# Allegro board A733_PRO3_AXP318_LPDDR5_FBGA315BALL_32X1_V2_0.brd (continued)
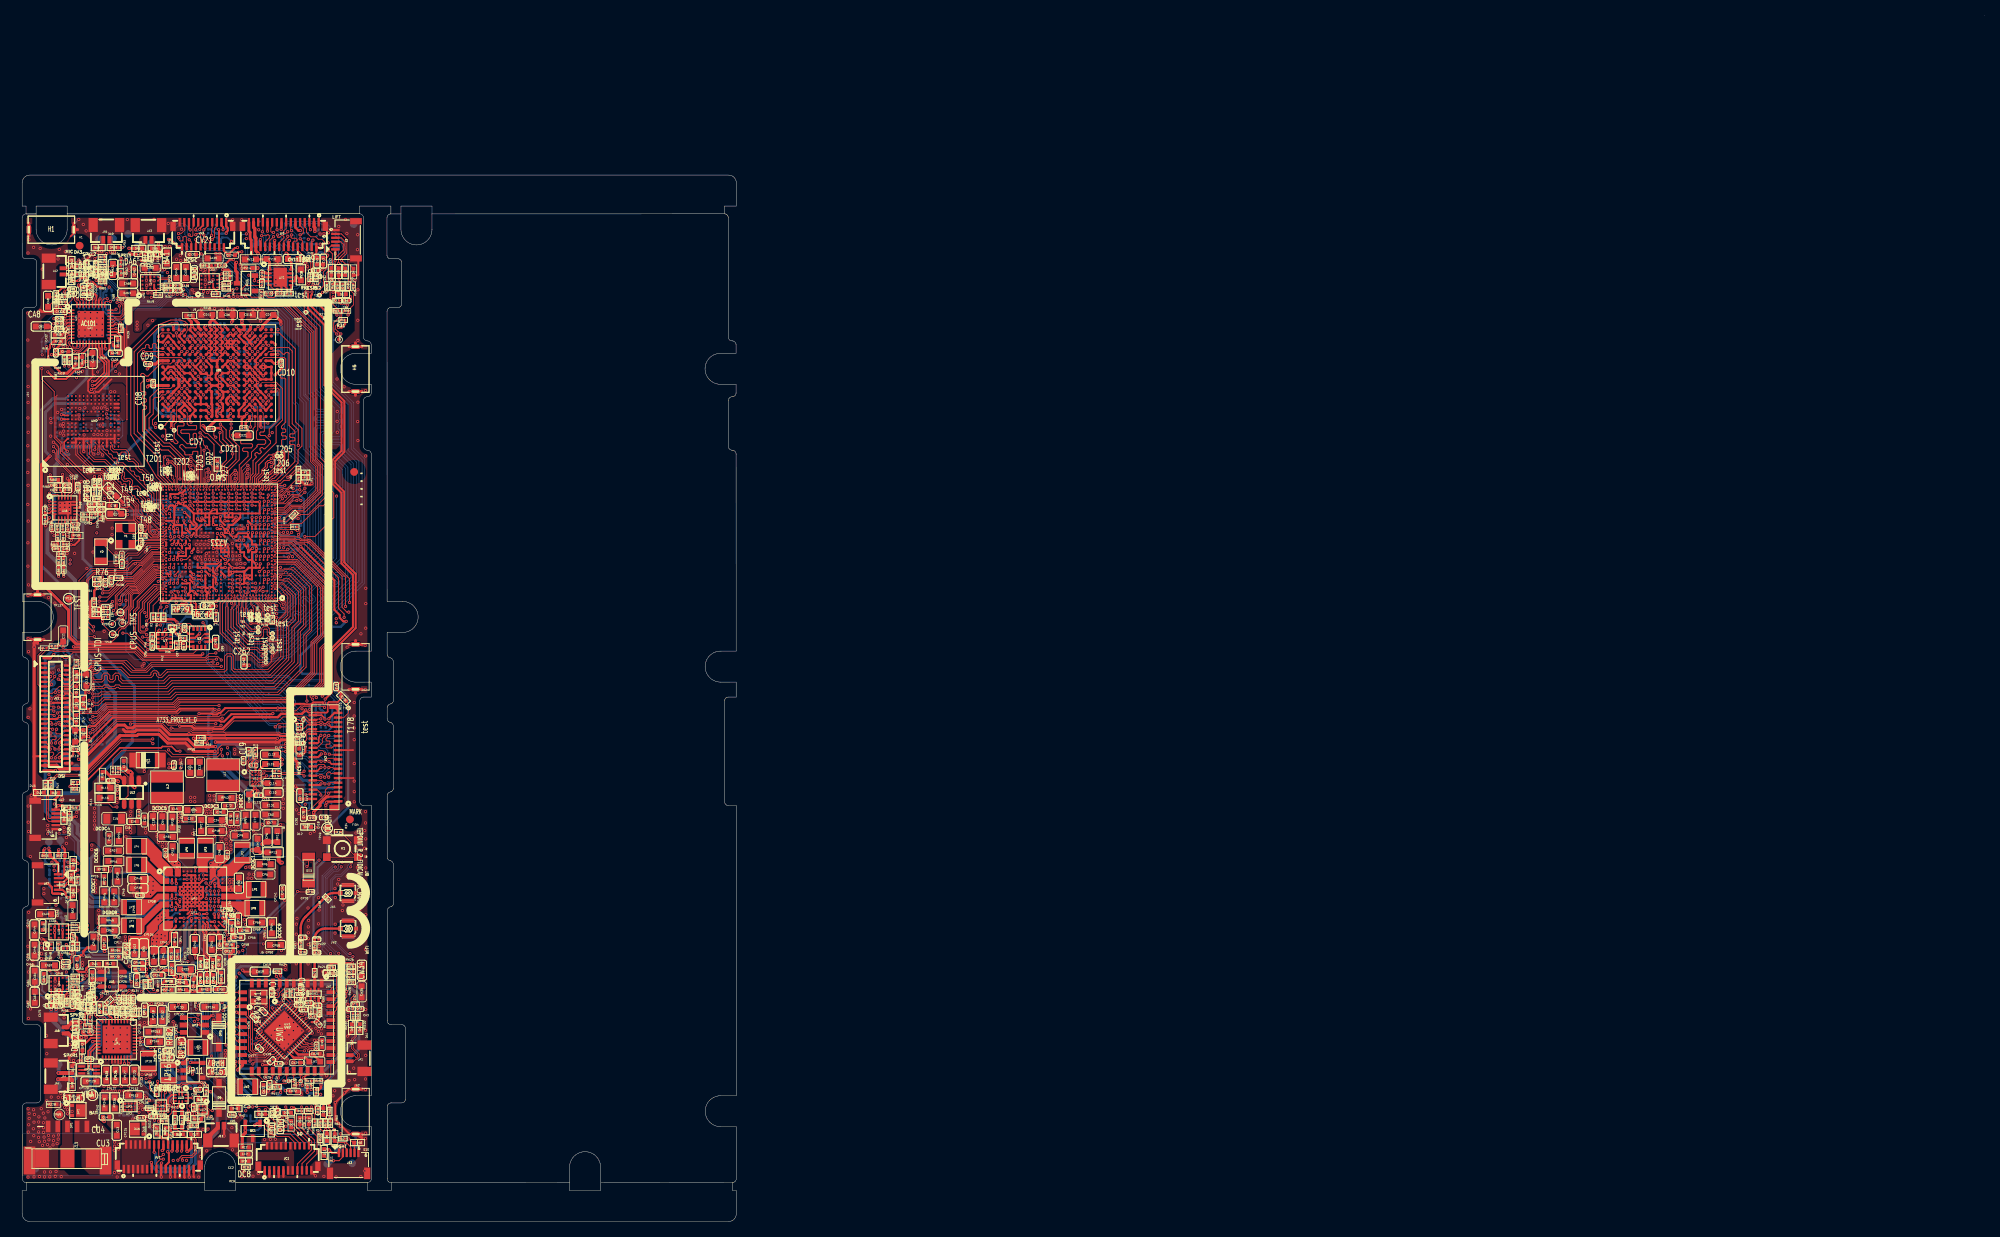
[diagram p0: board, top side]
## Footprints (pads in the part's own frame, mm; a bottom-side part is the same pattern mirrored in y, then rotated) (continued)
BGA570P40_50B1500_1500H95
  round 0.25 smd: 1A1(-6.25,6.25) 1A3(-5.25,6.25) 1A5(-4.25,6.25) 1A7(-3.25,6.25) 1A9(-2.25,6.25) 1A11(-1.25,6.25) 1A13(-0.25,6.25) 1A15(0.75,6.25) 1A17(1.75,6.25) 1A19(2.75,6.25) 1A21(3.75,6.25) 1A23(4.75,6.25) 1A25(5.75,6.25) 1AA1(-6.25,-3.75) 1AA2(-5.75,-3.75) 1AA3(-5.25,-3.75) 1AA4(-4.75,-3.75) 1AA5(-4.25,-3.75) 1AA6(-3.75,-3.75) 1AA8(-2.75,-3.75) 1AA10(-1.75,-3.75) 1AA12(-0.75,-3.75) 1AA14(0.25,-3.75) 1AA16(1.25,-3.75) 1AA17(1.75,-3.75) 1AA18(2.25,-3.75) 1AA20(3.25,-3.75) 1AB6(-3.75,-4.25) 1AB8(-2.75,-4.25) 1AB10(-1.75,-4.25) 1AB12(-0.75,-4.25) 1AB14(0.25,-4.25) 1AB16(1.25,-4.25) 1AB18(2.25,-4.25) 1AB20(3.25,-4.25) 1AB23(4.75,-4.25) 1AB24(5.25,-4.25) 1AB25(5.75,-4.25) 1AB26(6.25,-4.25) 1AC1(-6.25,-4.75) 1AC2(-5.75,-4.75) 1AC3(-5.25,-4.75) 1AC4(-4.75,-4.75) 1AC6(-3.75,-4.75) 1AC8(-2.75,-4.75) 1AC10(-1.75,-4.75) 1AC12(-0.75,-4.75) 1AC14(0.25,-4.75) 1AC16(1.25,-4.75) 1AC18(2.25,-4.75) 1AC20(3.25,-4.75) 1AC22(4.25,-4.75) 1AD4(-4.75,-5.25) 1AD6(-3.75,-5.25) 1AD8(-2.75,-5.25) 1AD10(-1.75,-5.25) 1AD12(-0.75,-5.25) 1AD14(0.25,-5.25) 1AD16(1.25,-5.25) 1AD18(2.25,-5.25) 1AD20(3.25,-5.25) 1AD22(4.25,-5.25) 1AD24(5.25,-5.25) 1AD25(5.75,-5.25) 1AD26(6.25,-5.25) 1AE1(-6.25,-5.75) 1AE2(-5.75,-5.75) 1AE4(-4.75,-5.75) 1AE6(-3.75,-5.75) 1AE8(-2.75,-5.75) 1AE10(-1.75,-5.75) 1AE12(-0.75,-5.75) 1AE14(0.25,-5.75) 1AE16(1.25,-5.75) 1AE18(2.25,-5.75) 1AE20(3.25,-5.75) 1AE22(4.25,-5.75) 1AE24(5.25,-5.75) 1AF2(-5.75,-6.25) 1AF4(-4.75,-6.25) 1AF6(-3.75,-6.25) 1AF8(-2.75,-6.25) 1AF10(-1.75,-6.25) 1AF12(-0.75,-6.25) 1AF14(0.25,-6.25) 1AF16(1.25,-6.25) 1AF18(2.25,-6.25) 1AF20(3.25,-6.25) 1AF22(4.25,-6.25) 1AF24(5.25,-6.25) 1AF26(6.25,-6.25) 1B3(-5.25,5.75) 1B5(-4.25,5.75) 1B7(-3.25,5.75) 1B9(-2.25,5.75) 1B11(-1.25,5.75) 1B13(-0.25,5.75) 1B15(0.75,5.75) 1B17(1.75,5.75) 1B19(2.75,5.75) 1B21(3.75,5.75) 1B23(4.75,5.75) 1B25(5.75,5.75) 1B26(6.25,5.75) 1C1(-6.25,5.25) 1C2(-5.75,5.25) 1C3(-5.25,5.25) 1C5(-4.25,5.25) 1C7(-3.25,5.25) 1C9(-2.25,5.25) 1C11(-1.25,5.25) 1C13(-0.25,5.25) 1C15(0.75,5.25) 1C17(1.75,5.25) 1C19(2.75,5.25) 1C21(3.75,5.25) 1C23(4.75,5.25) 1D5(-4.25,4.75) 1D7(-3.25,4.75) 1D9(-2.25,4.75) 1D11(-1.25,4.75) 1D13(-0.25,4.75) 1D15(0.75,4.75) 1D17(1.75,4.75) 1D19(2.75,4.75) 1D21(3.75,4.75) 1D23(4.75,4.75) 1D24(5.25,4.75) 1D25(5.75,4.75) 1D26(6.25,4.75) 1E1(-6.25,4.25) 1E2(-5.75,4.25) 1E3(-5.25,4.25) 1E4(-4.75,4.25) 1E5(-4.25,4.25) 1E7(-3.25,4.25) 1E9(-2.25,4.25) 1E11(-1.25,4.25) 1E13(-0.25,4.25) 1E15(0.75,4.25) 1E17(1.75,4.25) 1E19(2.75,4.25) 1E21(3.75,4.25) 1F7(-3.25,3.75) 1F9(-2.25,3.75) 1F11(-1.25,3.75) 1F13(-0.25,3.75) 1F15(0.75,3.75) 1F17(1.75,3.75) 1F19(2.75,3.75) 1F21(3.75,3.75) 1F22(4.25,3.75) 1F23(4.75,3.75) 1F24(5.25,3.75) 1F25(5.75,3.75) 1F26(6.25,3.75) 1G1(-6.25,3.25) 1G2(-5.75,3.25) 1G3(-5.25,3.25) 1G4(-4.75,3.25) 1G5(-4.25,3.25) 1G7(-3.25,3.25) 1G9(-2.25,3.25) 1G11(-1.25,3.25) 1G13(-0.25,3.25) 1G15(0.75,3.25) 1G17(1.75,3.25) 1G19(2.75,3.25) 1H11(-1.25,2.75) 1H13(-0.25,2.75) 1H14(0.25,2.75) 1H17(1.75,2.75) 1H19(2.75,2.75) 1H21(3.75,2.75) 1H22(4.25,2.75) 1H23(4.75,2.75) 1H24(5.25,2.75) 1H25(5.75,2.75) 1H26(6.25,2.75) 1J1(-6.25,2.25) 1J2(-5.75,2.25) 1J3(-5.25,2.25) 1J4(-4.75,2.25) 1J5(-4.25,2.25) 1J6(-3.75,2.25) 1J9(-2.25,2.25) 1J10(-1.75,2.25) 1J11(-1.25,2.25) 1J13(-0.25,2.25) 1J18(2.25,2.25) 1J19(2.75,2.25) 1J21(3.75,2.25) 1K9(-2.25,1.75) 1K12(-0.75,1.75) 1K13(-0.25,1.75) 1K14(0.25,1.75) 1K15(0.75,1.75) 1K16(1.25,1.75) 1K17(1.75,1.75) 1K19(2.75,1.75) 1K21(3.75,1.75) 1K22(4.25,1.75) 1K23(4.75,1.75) 1K24(5.25,1.75) 1K25(5.75,1.75) 1K26(6.25,1.75) 1L1(-6.25,1.25) 1L2(-5.75,1.25) 1L3(-5.25,1.25) 1L4(-4.75,1.25) 1L5(-4.25,1.25) 1L6(-3.75,1.25) 1L7(-3.25,1.25) 1L8(-2.75,1.25) 1L9(-2.25,1.25) 1L10(-1.75,1.25) 1L11(-1.25,1.25) 1L12(-0.75,1.25) 1L13(-0.25,1.25) 1L15(0.75,1.25) 1L16(1.25,1.25) 1L18(2.25,1.25) 1M10(-1.75,0.75) 1M11(-1.25,0.75) 1M13(-0.25,0.75) 1M14(0.25,0.75) 1M16(1.25,0.75) 1M17(1.75,0.75) 1M18(2.25,0.75) 1M19(2.75,0.75) 1M20(3.25,0.75) 1M21(3.75,0.75) 1M22(4.25,0.75) 1M23(4.75,0.75) 1M24(5.25,0.75) 1M25(5.75,0.75) 1M26(6.25,0.75) 1N1(-6.25,0.25) 1N2(-5.75,0.25) 1N3(-5.25,0.25) 1N4(-4.75,0.25) 1N5(-4.25,0.25) 1N6(-3.75,0.25) 1N7(-3.25,0.25) 1N8(-2.75,0.25) 1N9(-2.25,0.25) 1N12(-0.75,0.25) 1N14(0.25,0.25) 1N15(0.75,0.25) 1P9(-2.25,-0.25) 1P14(0.25,-0.25) 1P15(0.75,-0.25) 1P17(1.75,-0.25) 1P18(2.25,-0.25) 1P19(2.75,-0.25) 1P21(3.75,-0.25) 1P22(4.25,-0.25) 1P23(4.75,-0.25) 1P24(5.25,-0.25) 1P25(5.75,-0.25) 1P26(6.25,-0.25) 1R1(-6.25,-0.75) 1R2(-5.75,-0.75) 1R3(-5.25,-0.75) 1R4(-4.75,-0.75) 1R5(-4.25,-0.75) 1R6(-3.75,-0.75) 1R7(-3.25,-0.75) 1R8(-2.75,-0.75) 1R9(-2.25,-0.75) 1R12(-0.75,-0.75) 1R13(-0.25,-0.75) 1R14(0.25,-0.75) 1T12(-0.75,-1.25) 1T15(0.75,-1.25) 1T16(1.25,-1.25) 1T17(1.75,-1.25) 1T18(2.25,-1.25) 1T20(3.25,-1.25) 1T21(3.75,-1.25) 1T22(4.25,-1.25) 1T23(4.75,-1.25) 1T24(5.25,-1.25) 1T25(5.75,-1.25) 1T26(6.25,-1.25) 1U1(-6.25,-1.75) 1U2(-5.75,-1.75) 1U3(-5.25,-1.75) 1U4(-4.75,-1.75) 1U5(-4.25,-1.75) 1U6(-3.75,-1.75) 1U8(-2.75,-1.75) 1U10(-1.75,-1.75) 1U12(-0.75,-1.75) 1U13(-0.25,-1.75) 1U18(2.25,-1.75) 1U21(3.75,-1.75) 1V8(-2.75,-2.25) 1V10(-1.75,-2.25) 1V11(-1.25,-2.25) 1V12(-0.75,-2.25) 1V14(0.25,-2.25) 1V16(1.25,-2.25) 1V18(2.25,-2.25) 1V20(3.25,-2.25) 1V21(3.75,-2.25) 1V22(4.25,-2.25) 1V23(4.75,-2.25) 1V24(5.25,-2.25) 1V25(5.75,-2.25) 1V26(6.25,-2.25) 1W1(-6.25,-2.75) 1W2(-5.75,-2.75) 1W3(-5.25,-2.75) 1W4(-4.75,-2.75) 1W5(-4.25,-2.75) 1W6(-3.75,-2.75) 1W9(-2.25,-2.75) 1W10(-1.75,-2.75) 1W11(-1.25,-2.75) 1W15(0.75,-2.75) 1W16(1.25,-2.75) 1W17(1.75,-2.75) 1W18(2.25,-2.75) 1W20(3.25,-2.75) 1Y8(-2.75,-3.25) 1Y10(-1.75,-3.25) 1Y11(-1.25,-3.25) 1Y12(-0.75,-3.25) 1Y14(0.25,-3.25) 1Y16(1.25,-3.25) 1Y17(1.75,-3.25) 1Y21(3.75,-3.25) 1Y22(4.25,-3.25) 1Y23(4.75,-3.25) 1Y24(5.25,-3.25) 1Y25(5.75,-3.25) 1Y26(6.25,-3.25) A1(-7.2,7.2) A2(-6.8,7.2) A4(-6,7.2) A6(-5.2,7.2) A7(-4.8,7.2) A9(-4,7.2) A10(-3.6,7.2) A12(-2.8,7.2) A13(-2.4,7.2) A15(-1.6,7.2) A16(-1.2,7.2) A18(-0.4,7.2) A19(0,7.2) A21(0.8,7.2) A22(1.2,7.2) A24(2,7.2) A25(2.4,7.2) A27(3.2,7.2) A28(3.6,7.2) A30(4.4,7.2) A31(4.8,7.2) A33(5.6,7.2) A34(6,7.2) A36(6.8,7.2) A37(7.2,7.2) AA1(-7.2,-0.8) AA2(-6.8,-0.8) AA36(6.8,-0.8) AA37(7.2,-0.8) AB1(-7.2,-1.2) AB2(-6.8,-1.2) AB36(6.8,-1.2) AB37(7.2,-1.2) AC2(-6.8,-1.6) AC36(6.8,-1.6) AD1(-7.2,-2) AD2(-6.8,-2) AD36(6.8,-2) AD37(7.2,-2) AE1(-7.2,-2.4) AE2(-6.8,-2.4) AE36(6.8,-2.4) AE37(7.2,-2.4) AF2(-6.8,-2.8) AF36(6.8,-2.8) AG1(-7.2,-3.2) AG2(-6.8,-3.2) AG36(6.8,-3.2) AG37(7.2,-3.2) AH1(-7.2,-3.6) AH2(-6.8,-3.6) AH36(6.8,-3.6) AH37(7.2,-3.6) AJ2(-6.8,-4) AJ36(6.8,-4) AK1(-7.2,-4.4) AK2(-6.8,-4.4) AK36(6.8,-4.4) AK37(7.2,-4.4) AL1(-7.2,-4.8) AL2(-6.8,-4.8) AL36(6.8,-4.8) AL37(7.2,-4.8) AM2(-6.8,-5.2) AM36(6.8,-5.2) AN1(-7.2,-5.6) AN2(-6.8,-5.6) AN36(6.8,-5.6) AN37(7.2,-5.6) AP1(-7.2,-6) AP2(-6.8,-6) AP36(6.8,-6) AP37(7.2,-6) AR2(-6.8,-6.4) AR36(6.8,-6.4) AT1(-7.2,-6.8) AT2(-6.8,-6.8) AT3(-6.4,-6.8) AT4(-6,-6.8) AT5(-5.6,-6.8) AT6(-5.2,-6.8) AT7(-4.8,-6.8) AT8(-4.4,-6.8) AT9(-4,-6.8) AT10(-3.6,-6.8) AT11(-3.2,-6.8) AT12(-2.8,-6.8) AT13(-2.4,-6.8) AT14(-2,-6.8) AT15(-1.6,-6.8) AT16(-1.2,-6.8) AT17(-0.8,-6.8) AT18(-0.4,-6.8) AT19(0,-6.8) AT20(0.4,-6.8) AT21(0.8,-6.8) AT22(1.2,-6.8) AT23(1.6,-6.8) AT24(2,-6.8) AT25(2.4,-6.8) AT26(2.8,-6.8) AT27(3.2,-6.8) AT28(3.6,-6.8) AT29(4,-6.8) AT30(4.4,-6.8) AT31(4.8,-6.8) AT32(5.2,-6.8) AT33(5.6,-6.8) AT34(6,-6.8) AT35(6.4,-6.8) AT36(6.8,-6.8) AT37(7.2,-6.8) AU1(-7.2,-7.2) AU2(-6.8,-7.2) AU4(-6,-7.2) AU6(-5.2,-7.2) AU7(-4.8,-7.2) AU9(-4,-7.2) AU10(-3.6,-7.2) AU12(-2.8,-7.2) AU13(-2.4,-7.2) AU15(-1.6,-7.2) AU16(-1.2,-7.2) AU18(-0.4,-7.2) AU19(0,-7.2) AU21(0.8,-7.2) AU22(1.2,-7.2) AU24(2,-7.2) AU25(2.4,-7.2) AU27(3.2,-7.2) AU28(3.6,-7.2) AU30(4.4,-7.2) AU31(4.8,-7.2) AU33(5.6,-7.2) AU34(6,-7.2) AU36(6.8,-7.2) AU37(7.2,-7.2) B1(-7.2,6.8) B2(-6.8,6.8) B3(-6.4,6.8) B4(-6,6.8) B5(-5.6,6.8) B6(-5.2,6.8) B7(-4.8,6.8) B8(-4.4,6.8) B9(-4,6.8) B10(-3.6,6.8) B11(-3.2,6.8) B12(-2.8,6.8) B13(-2.4,6.8) B14(-2,6.8) B15(-1.6,6.8) B16(-1.2,6.8) B17(-0.8,6.8) B18(-0.4,6.8) B19(0,6.8) B20(0.4,6.8) B21(0.8,6.8) B22(1.2,6.8) B23(1.6,6.8) B24(2,6.8) B25(2.4,6.8) B26(2.8,6.8) B27(3.2,6.8) B28(3.6,6.8) B29(4,6.8) B30(4.4,6.8) B31(4.8,6.8) B32(5.2,6.8) B33(5.6,6.8) B34(6,6.8) B35(6.4,6.8) B36(6.8,6.8) B37(7.2,6.8) C2(-6.8,6.4) C36(6.8,6.4) D1(-7.2,6) D2(-6.8,6) D36(6.8,6) D37(7.2,6) E2(-6.8,5.6) E36(6.8,5.6) F1(-7.2,5.2) F2(-6.8,5.2) F36(6.8,5.2) F37(7.2,5.2) G1(-7.2,4.8) G2(-6.8,4.8) G36(6.8,4.8) G37(7.2,4.8) H2(-6.8,4.4) H36(6.8,4.4) J1(-7.2,4) J2(-6.8,4) J36(6.8,4) J37(7.2,4) K1(-7.2,3.6) K2(-6.8,3.6) K36(6.8,3.6) K37(7.2,3.6) L2(-6.8,3.2) L36(6.8,3.2) M1(-7.2,2.8) M2(-6.8,2.8) M36(6.8,2.8) M37(7.2,2.8) N1(-7.2,2.4) N2(-6.8,2.4) N36(6.8,2.4) N37(7.2,2.4) P2(-6.8,2) P36(6.8,2) R1(-7.2,1.6) R2(-6.8,1.6) R36(6.8,1.6) R37(7.2,1.6) T1(-7.2,1.2) T2(-6.8,1.2) T36(6.8,1.2) T37(7.2,1.2) U2(-6.8,0.8) U36(6.8,0.8) V1(-7.2,0.4) V2(-6.8,0.4) V36(6.8,0.4) V37(7.2,0.4) W1(-7.2,0) W2(-6.8,0) W36(6.8,0) W37(7.2,0) Y2(-6.8,-0.4) Y36(6.8,-0.4)
C0201
  rect 0.3x0.3 smd: 1(-0.25,0) 2(0.25,0)
C0402
  rect 0.5x0.5 smd: 1(-0.425,0) 2(0.425,0)
C0603
  rect 0.76x0.76 smd: 1(-0.71,0) 2(0.71,0)
C0805
  rect 0.9x1.3 smd: 1(-0.95,0) 2(0.95,0)
CA0103021-R
  rect 0.6x0.9 smd: 1(-3.05,0) 5(3.05,0)
  rect 1.5x0.9 smd: 2(-1.65,0) 4(1.65,0)
  rect 1.2x0.9 smd: 3(0,0)
CON-R5S-P1_3-H1_5-R
  rect 1.5x0.6 smd: 1(0,2.5) 2(0,1.25) 3(0,0) 4(0,-1.25) 5(0,-2.5)
  rect 3.6x1.5 smd: 6(4.4,-4.9) 7(4.4,4.9)
DFN3P130B200_200H65
  rect 0.4x0.5 smd: 1(0.65,0.75) 2(-0.65,0.75)
  rect 1.6x1.35 smd: 3(0,-0.425)
DFN11P50B300_300H75
  rect 0.6x0.24 smd: 1(-1.4,1) 2(-1.4,0.5) 3(-1.4,0) 4(-1.4,-0.5) 5(-1.4,-1) 6(1.4,-1) 7(1.4,-0.5) 8(1.4,0) 9(1.4,0.5) 10(1.4,1)
  rect 1.7x2.4 smd: 11(0,0)
DPX6P50B60_160H80
  rect 0.25x0.55 smd: 1(-0.5,0.425) 2(0,0.425) 3(0.5,0.425) 4(0.5,-0.425) 5(0,-0.425) 6(-0.5,-0.425)
ESD0201
  rect 0.3x0.3 smd: 1(-0.25,0) 2(0.25,0)
ESD0402
  rect 0.5x0.5 smd: 1(-0.425,0) 2(0.425,0)
FCQFN12P40B130_180H55
  round 0.25 smd: A1(-0.6,0.4) A2(-0.2,0.4) A3(0.2,0.4) A4(0.6,0.4) B1(-0.6,0) B2(-0.2,0) B3(0.2,0) B4(0.6,0) C1(-0.6,-0.4) C2(-0.2,-0.4) C3(0.2,-0.4) C4(0.6,-0.4)
FH26-21S
  rect 0.3x1.1 smd: 1(-5.7,-1.7) 3(-5.1,-1.7) 5(-4.5,-1.7) 7(-3.9,-1.7) 9(-3.3,-1.7) 11(-2.7,-1.7) 13(-2.1,-1.7) 15(-1.5,-1.7) 17(-0.9,-1.7) 19(-0.3,-1.7) 21(0.3,-1.7)
  rect 0.3x0.95 smd: 2(-5.4,1.475) 4(-4.8,1.475) 6(-4.2,1.475) 8(-3.6,1.475) 10(-3,1.475) 12(-2.4,1.475) 14(-1.8,1.475) 16(-1.2,1.475) 18(-0.6,1.475) 20(0,1.475)
  rect 0.7x1.2 smd: 22(-6.55,-1.175) 23(1.15,-1.175)
FH26-31S
  rect 0.3x1.1 smd: 1(-4.5,-1.7) 2(-4.2,1.475) 3(-3.9,-1.7) 4(-3.6,1.475) 5(-3.3,-1.7) 6(-3,1.475) 7(-2.7,-1.7) 8(-2.4,1.475) 9(-2.1,-1.7) 10(-1.8,1.475) 11(-1.5,-1.7) 12(-1.2,1.475) 13(-0.9,-1.7) 14(-0.6,1.475) 15(-0.3,-1.7) 16(0,1.475) 17(0.3,-1.7) 18(0.6,1.475) 19(0.9,-1.7) 20(1.2,1.475) 21(1.5,-1.7) 22(1.8,1.475) 23(2.1,-1.7) 24(2.4,1.475) 25(2.7,-1.7) 26(3,1.475) 27(3.3,-1.7) 28(3.6,1.475) 29(3.9,-1.7) 30(4.2,1.475) 31(4.5,-1.7)
  rect 0.7x1.2 smd: 32(5.35,-1.175) 33(-5.35,-1.175)
FIDICALMARK
  round 1 smd: 1(0,0)
FPC6-0_3-2_5X4_5H1_0L
  rect 0.3x1.1 smd: 1(-1.24,1.4) 2(-0.74,1.4) 3(-0.24,1.4) 4(0.26,1.4) 5(0.76,1.4) 6(1.26,1.4)
  rect 0.8x1.5 smd: 7(-2.4,-1.25) 8(2.4,-1.25)
KEY_3X3
  rect 1x1 smd: 1(-2,1.1) 2(2,1.1) 3(2,-1.1) 4(-2,-1.1)
KEZI
  oval 0.6x1.3 hole 0.3x1: 1(-2.9,0) 2(2.9,0)
L0201
  rect 0.3x0.3 smd: 1(-0.25,0) 2(0.25,0)
L0603
  rect 0.76x0.76 smd: 1(-0.71,0) 2(0.71,0)
LC4B120_200H120
  rect 0.68x0.48 smd: 1(-0.96,0.46) 2(0.96,0.46) 3(0.96,-0.46) 4(-0.96,-0.46)
LED0402
  rect 0.5x0.5 smd: 1(-0.425,0) 2(0.425,0)
LGA12P50B200_200H100
  rect 0.3x0.35 smd: 1(-0.75,0.8) 4(-0.75,-0.8) 5(-0.25,-0.8) 6(0.25,-0.8) 7(0.75,-0.8) 10(0.75,0.8) 11(0.25,0.8) 12(-0.25,0.8)
  rect 0.35x0.3 smd: 2(-0.8,0.25) 3(-0.8,-0.25) 8(0.8,-0.25) 9(0.8,0.25)
LGA14P50B250_300H81
  rect 0.7x0.3 smd: 1(-1.25,0.75) 2(-1.25,0.25) 3(-1.25,-0.25) 4(-1.25,-0.75) 8(1.25,-0.75) 9(1.25,-0.25) 10(1.25,0.25) 11(1.25,0.75)
  rect 0.3x0.7 smd: 5(-0.5,-1) 6(0,-1) 7(0.5,-1) 12(0.5,1) 13(0,1) 14(-0.5,1)
LP200_250H100
  rect 0.8x2 smd: 1(-1,0) 2(1,0)
LP400_400H180
  rect 1.5x4.2 smd: 1(-1.35,0) 2(1.35,0)
PFC41P60B13500_350H100
  rect 0.3x1.1 smd: 1(-5.7,-1.669) 2(-5.4,1.581) 3(-5.1,-1.669) 4(-4.8,1.581) 5(-4.5,-1.669) 6(-4.2,1.581) 7(-3.9,-1.669) 8(-3.6,1.581) 9(-3.3,-1.669) 10(-3,1.581) 11(-2.7,-1.669) 12(-2.4,1.581) 13(-2.1,-1.669) 14(-1.8,1.581) 15(-1.5,-1.669) 16(-1.2,1.581) 17(-0.9,-1.669) 18(-0.6,1.581) 19(-0.3,-1.669) 20(0,1.581) 21(0.3,-1.669) 22(0.6,1.581) 23(0.9,-1.669) 24(1.2,1.581) 25(1.5,-1.669) 26(1.8,1.581) 27(2.1,-1.669) 28(2.4,1.581) 29(2.7,-1.669) 30(3,1.581) 31(3.3,-1.669) 32(3.6,1.581) 33(3.9,-1.669) 34(4.2,1.581) 35(4.5,-1.669) 36(4.8,1.581) 37(5.1,-1.669) 38(5.4,1.581) 39(5.7,-1.669)
  rect 0.7x1.2 smd: 40(6.55,-1.144) 41(-6.55,-1.144)
QFN10P40B140_180H55
  rect 0.7x0.2 smd: 1(-0.55,0.2)
  rect 0.6x0.2 smd: 2(-0.6,-0.2) 6(0.6,-0.2) 7(0.6,0.2)
  rect 0.2x0.6 smd: 3(-0.4,-0.8) 4(0,-0.8) 5(0.4,-0.8) 8(0.4,0.8) 9(0,0.8) 10(-0.4,0.8)
QFN20P40B300_300H75
  rect 0.63x0.2 smd: 1(-1.385,0.8) 2(-1.385,0.4) 3(-1.385,0) 4(-1.385,-0.4) 5(-1.385,-0.8) 11(1.385,-0.8) 12(1.385,-0.4) 13(1.385,0) 14(1.385,0.4) 15(1.385,0.8)
  rect 0.2x0.63 smd: 6(-0.8,-1.385) 7(-0.4,-1.385) 8(0,-1.385) 9(0.4,-1.385) 10(0.8,-1.385) 16(0.8,1.385) 17(0.4,1.385) 18(0,1.385) 19(-0.4,1.385) 20(-0.8,1.385)
  rect 1.65x1.65 smd: 21(0,0)
QFN40P0_40B5_00X5_00H0_75
  custom 0.8x0.2 smd: 1(-2.5,1.8) 2(-2.5,1.4) 3(-2.5,1) 4(-2.5,0.6) 5(-2.5,0.2) 6(-2.5,-0.2) 7(-2.5,-0.6) 8(-2.5,-1) 9(-2.5,-1.4) 10(-2.5,-1.8) 21(2.5,-1.8) 22(2.5,-1.4) 23(2.5,-1) 24(2.5,-0.6) 25(2.5,-0.2) 26(2.5,0.2) 27(2.5,0.6) 28(2.5,1) 29(2.5,1.4) 30(2.5,1.8)
  custom 0.2x0.8 smd: 11(-1.8,-2.5) 12(-1.4,-2.5) 13(-1,-2.5) 14(-0.6,-2.5) 15(-0.2,-2.5) 16(0.2,-2.5) 17(0.6,-2.5) 18(1,-2.5) 19(1.4,-2.5) 20(1.8,-2.5) 31(1.8,2.5) 32(1.4,2.5) 33(1,2.5) 34(0.6,2.5) 35(0.2,2.5) 36(-0.2,2.5) 37(-0.6,2.5) 38(-1,2.5) 39(-1.4,2.5) 40(-1.8,2.5)
  rect 3.4x3.4 smd: 41(0,0)
QFN41P40B500_500H85
  rect 0.63x0.2 smd: 1(-2.385,1.8) 2(-2.385,1.4) 3(-2.385,1) 4(-2.385,0.6) 5(-2.385,0.2) 6(-2.385,-0.2) 7(-2.385,-0.6) 8(-2.385,-1) 9(-2.385,-1.4) 10(-2.385,-1.8) 21(2.385,-1.8) 22(2.385,-1.4) 23(2.385,-1) 24(2.385,-0.6) 25(2.385,-0.2) 26(2.385,0.2) 27(2.385,0.6) 28(2.385,1) 29(2.385,1.4) 30(2.385,1.8)
  rect 0.2x0.63 smd: 11(-1.8,-2.385) 12(-1.4,-2.385) 13(-1,-2.385) 14(-0.6,-2.385) 15(-0.2,-2.385) 16(0.2,-2.385) 17(0.6,-2.385) 18(1,-2.385) 19(1.4,-2.385) 20(1.8,-2.385) 31(1.8,2.385) 32(1.4,2.385) 33(1,2.385) 34(0.6,2.385) 35(0.2,2.385) 36(-0.2,2.385) 37(-0.6,2.385) 38(-1,2.385) 39(-1.4,2.385) 40(-1.8,2.385)
  rect 3.6x3.6 smd: 41(0,0)
QFN49P35B500_500H85
  rect 0.75x0.18 smd: 1(-2.475,1.575) 2(-2.475,1.225) 3(-2.475,0.875) 4(-2.475,0.525) 5(-2.475,0.175) 6(-2.475,-0.175) 7(-2.475,-0.525) 8(-2.475,-0.875) 9(-2.475,-1.225) 10(-2.475,-1.575) 25(2.475,-1.575) 26(2.475,-1.225) 27(2.475,-0.875) 28(2.475,-0.525) 29(2.475,-0.175) 30(2.475,0.175) 31(2.475,0.525) 32(2.475,0.875) 33(2.475,1.225) 34(2.475,1.575)
  rect 0.18x0.75 smd: 11(-2.275,-2.475) 12(-1.925,-2.475) 13(-1.575,-2.475) 14(-1.225,-2.475) 15(-0.875,-2.475) 16(-0.525,-2.475) 17(-0.175,-2.475) 18(0.175,-2.475) 19(0.525,-2.475) 20(0.875,-2.475) 21(1.225,-2.475) 22(1.575,-2.475) 23(1.925,-2.475) 24(2.275,-2.475) 35(2.275,2.475) 36(1.925,2.475) 37(1.575,2.475) 38(1.225,2.475) 39(0.875,2.475) 40(0.525,2.475) 41(0.175,2.475) 42(-0.175,2.475) 43(-0.525,2.475) 44(-0.875,2.475) 45(-1.225,2.475) 46(-1.575,2.475) 47(-1.925,2.475) 48(-2.275,2.475)
  rect 3.7x3.7 smd: 49(0,0)
R0201
  rect 0.3x0.3 smd: 1(-0.25,0) 2(0.25,0)
R0402
  rect 0.5x0.5 smd: 1(-0.425,0) 2(0.425,0)
R0603
  rect 0.76x0.76 smd: 1(-0.71,0) 2(0.71,0)
RA6P45B125_200H60
  rect 0.9x0.3 smd: 1(-0.95,0.45) 3(-0.95,-0.45) 4(0.95,-0.45) 6(0.95,0.45)
  rect 0.9x0.2 smd: 2(-0.95,0) 5(0.95,0)
RF-CD-ARF003-P01A-PAD10
  rect 0.6x0.55 smd: 1(0.003,-0.975)
  rect 0.5x0.5 smd: 2(0.003,1) 5(0.049,2.258)
  rect 0.5x1.6 smd: 3(-0.997,0) 4(1.002,0)
SOD130_264H140
  rect 1.1x1.65 smd: 1(-1.7,0) 2(1.7,0)
SOD155_270H118
  rect 1.2x0.7 smd: 1(-1.85,0) 2(1.85,0)
SOD180_270H110
  rect 1.4x1.9 smd: 1(-1.65,0) 2(1.65,0)
SOT3P95B130_290H103
  rect 0.95x0.46 smd: 1(-0.975,0.95) 2(-0.975,-0.95) 3(0.975,0)
SOT5P95B160_300H130
  rect 0.8x0.55 smd: 1(-1.2,0.95) 2(-1.2,0) 3(-1.2,-0.95) 4(1.2,-0.95) 5(1.2,0.95)
SOT6P95B160_290H145
  rect 1.05x0.6 smd: 1(-1.35,0.95) 2(-1.35,0) 3(-1.35,-0.95) 4(1.35,-0.95) 5(1.35,0) 6(1.35,0.95)
SOT23
  rect 0.6x0.85 smd: 1(-0.991,-1.143) 2(0.991,-1.143) 3(0,1.143)
SOT23-5
  oval 1.2x0.55 smd: 1(-1.246,0.95) 2(-1.246,0) 3(-1.246,-0.95) 4(1.373,-0.95) 5(1.373,0.95)
SOT23-6
  oval 0.6x1.25 smd: 1(-0.95,-1.525) 2(0,-1.525) 3(0.95,-1.525) 4(0.95,1.525) 5(0,1.525) 6(-0.95,1.525)
SUB_WIFI44B1200_1200H150
  rect 1.13x0.5 smd: 1(-5.688,4.5) 2(-5.688,3.6) 3(-5.688,2.7) 4(-5.688,1.8) 5(-5.688,0.9) 6(-5.688,0) 7(-5.688,-0.9) 8(-5.688,-1.8) 9(-5.688,-2.7) 10(-5.688,-3.6) 11(-5.688,-4.5) 23(5.688,-4.5) 24(5.688,-3.6) 25(5.688,-2.7) 26(5.688,-1.8) 27(5.688,-0.9) 28(5.688,0) 29(5.688,0.9) 30(5.688,1.8) 31(5.688,2.7) 32(5.688,3.6) 33(5.688,4.5)
  rect 0.5x1.13 smd: 12(-4.5,-5.688) 13(-3.6,-5.688) 14(-2.7,-5.688) 15(-1.8,-5.688) 16(-0.9,-5.688) 17(0,-5.688) 18(0.9,-5.688) 19(1.8,-5.688) 20(2.7,-5.688) 21(3.6,-5.688) 22(4.5,-5.688) 34(4.5,5.688) 35(3.6,5.688) 36(2.7,5.688) 37(1.8,5.688) 38(0.9,5.688) 39(0,5.688) 40(-0.9,5.688) 41(-1.8,5.688) 42(-2.7,5.688) 43(-3.6,5.688) 44(-4.5,5.688)
TP30
  round 0.3 smd: 1(0,0)
TP50
  round 0.5 smd: 1(0,0)
TP100
  round 1 smd: 1(0,0)
unnamed
  round 1 smd: 1(0,0)
WF_080_2P
  rect 0.5x1 smd: 1(-0.4,0) 2(0.4,0)
  rect 1.2x1.8 smd: 3(-1.7,-1.9) 4(1.7,-1.9)
X2B150_320H75_SMD
  rect 1x1.8 smd: 1(-1.25,0) 2(1.25,0)
X4B165_205H45_SMD
  rect 0.8x0.8 smd: 1(-0.575,0.725) 2(-0.575,-0.725) 3(0.575,-0.725) 4(0.575,0.725)
X4B250_320H120_SMD
  rect 0.95x1.2 smd: 1(-0.875,1.1) 2(-0.875,-1.1) 3(0.875,-1.1) 4(0.875,1.1)

## Nets
AGND: C1.1 C3.1 C4.1 R11.1 U1.1F22(VREFN-ADC) U1.1F23(AGND)
AVCC: C1.2 C5.1 C38.1 C39.1 C50.1 CD26.1 CD27.1 CP35.2 R2.1 R5.1 R8.1 R12.1 R27.1 R49.1 R70.2 R71.2 R72.1 RP33.1 U1.1H21(VCC-ADC) U1.1J11(VCC-DCXO2) U1.1J21(VCC-DCXO1) U1.1T20(VCC-DCXO) U1.1V12(VDD18-DRAM)
AVDD: CL10.2 CL11.2 JL1.45(AVDD+6V) UL1.E3(AVDD)
AVDD18: CW13.2 UW3.5(AVDD18)
AVDD-H-COMB0: C10.1 C125.1 C133.1 CP37.2 R15.1 R74.1 RP2.1 RP38.1 RP42.1 U1.1U6(VCC18-PF) U1.1Y21(VCC-PC)
AVEE: CL12.2 CL13.2 JL1.44(AVEE-6V) UL1.A2(AVEE)
DVDD: CA79.1 CA80.1 RA60.2 UA6.19(DVCC)
DVDD-CSI-F: CP55.2 CV7.1 CV19.1 JV1.3(DVDD12) JV2.3(DVDD12) T135.1(TP) T154.1(TP) UP1.N14(ELDO4)
DVDD-CSI-R2: CP141.2 CV26.1 JV3.3(DVDD12) UP1.N13(ELDO5)
